# Altium PCB 大风车第三版.PcbDoc (part 2 of 2)
Units mm, origin at the board's own origin, x right, y up, seen from the top; angles counter-clockwise.
Board outline 97.08 x 92.33 mm, 4 copper layers (Top Layer, Second Layer, Third Layer, Bottom Layer 1), stack 0.603 mm thick; 147 components, 109 nets, 497 pads, 844 vias.
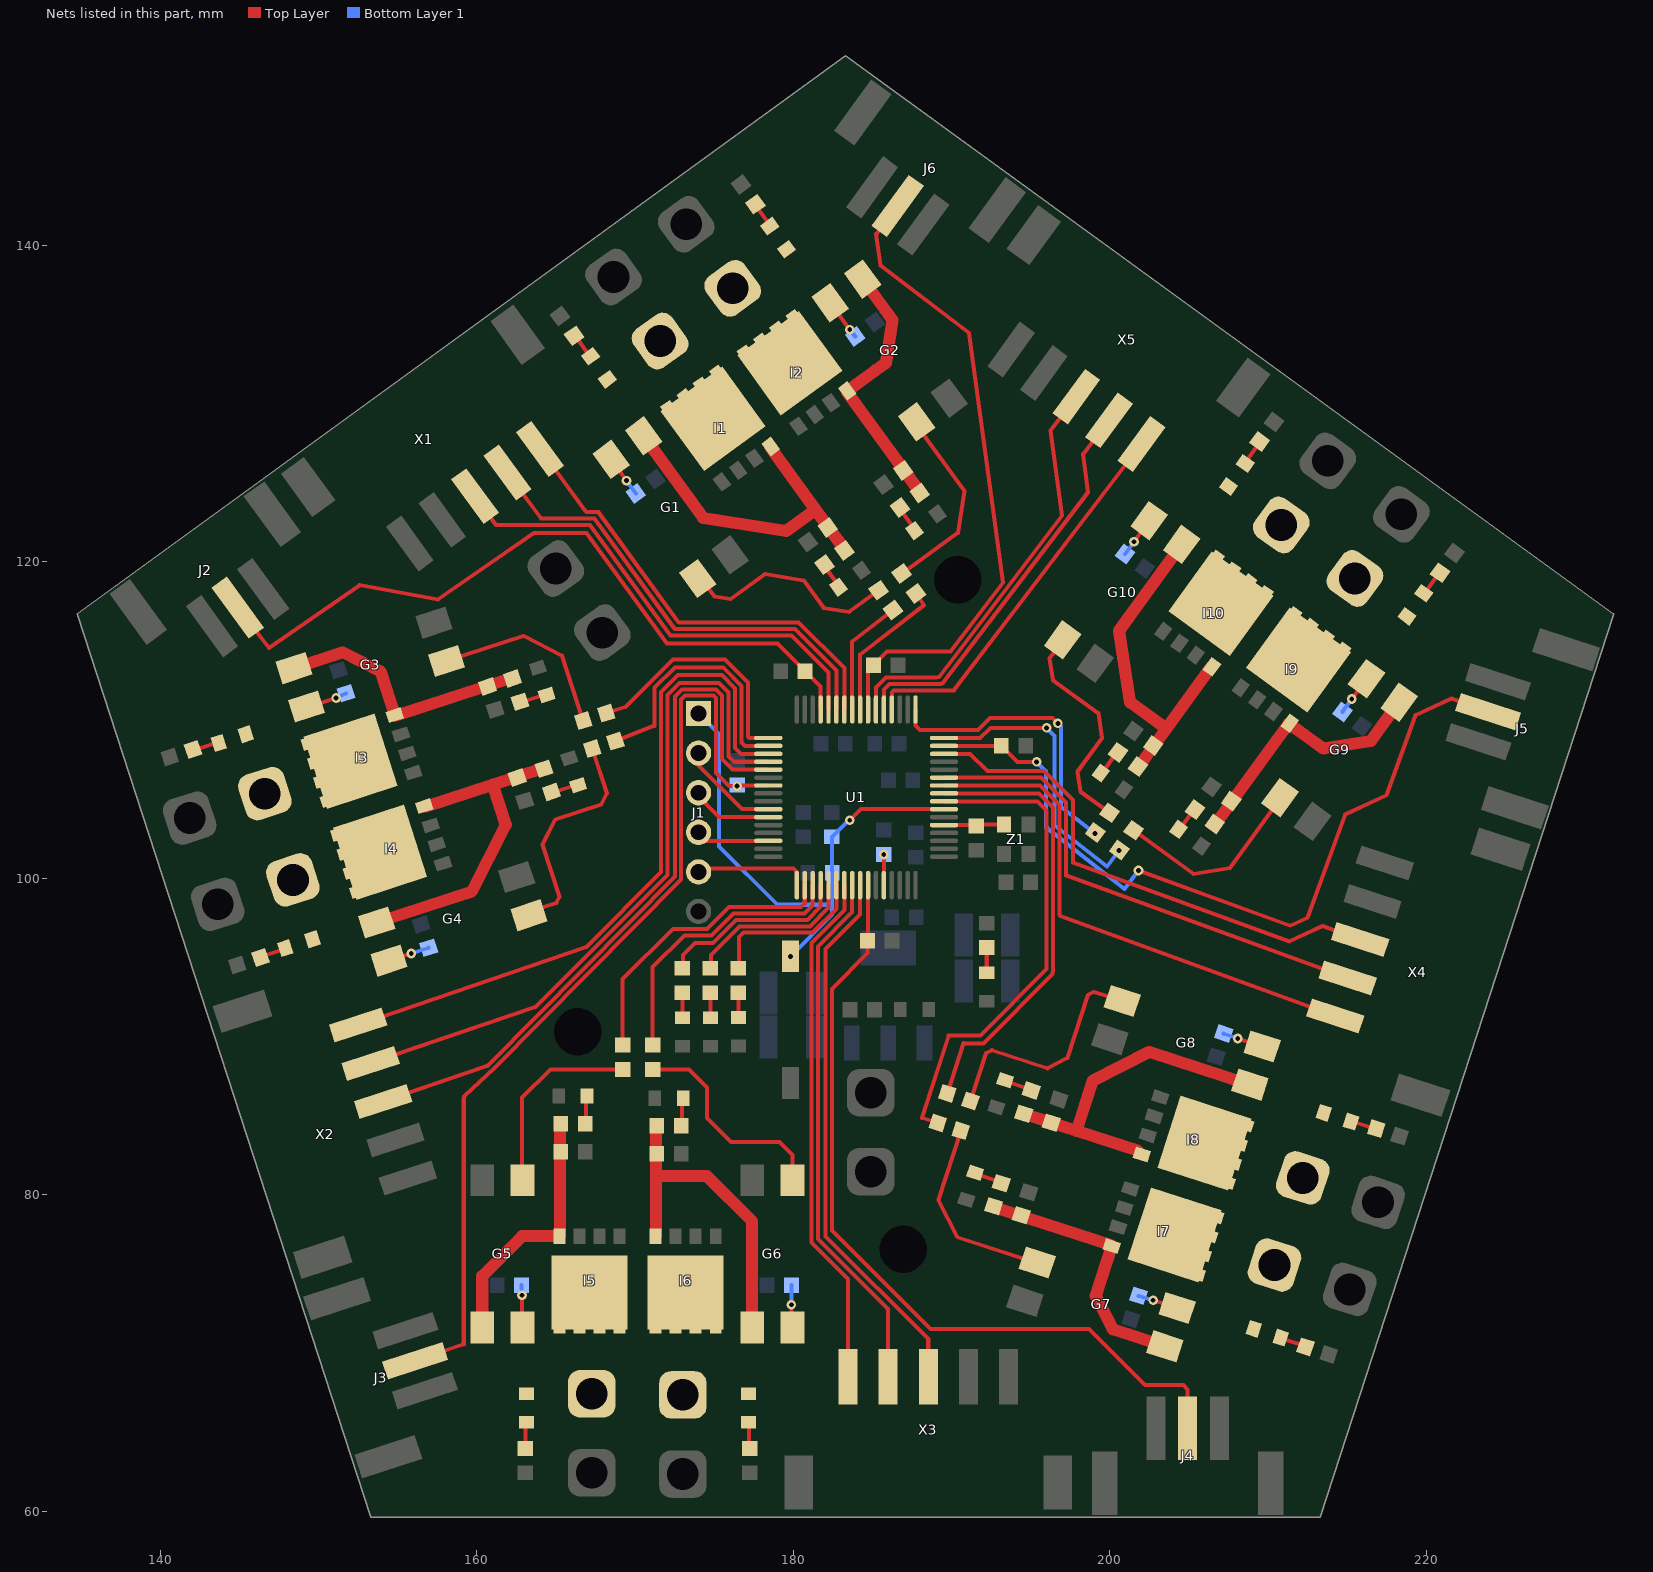
[diagram p4: the nets of this part, all layers, seen from the top]

## Via types
v1: diameter 0.61, hole 0.305, Top Layer to Bottom Layer 1, 844 vias

## Nets (pads, with @x,y where several pads share a name; then routed paths per layer and width w, separated by ;. In a path a pad name is that pad's centre, name@x,y a point inside that pad or via, vN(x,y) a via of type N, cw(c..) or ccw(c..) an arc to the next point about the centre after c; other vN are vias at no path point) (continued)
NetD2_1: D2.1 R.1@192.213,95.632 | length 1.6
  Top Layer w0.254: D2.1@192.213,94.042 R.1@192.213,95.632
NetD3_1: D3.1 R.1@176.516,92.778 | length 1.6
  Top Layer w0.254: D3.1@176.516,91.215 R.1@176.516,92.778
NetD4_1: D4.1 R.1@174.751,92.778 | length 1.6
  Top Layer w0.254: D4.1@174.751,91.203 R.1@174.751,92.778
NetD5_1: D5.1 R.1@172.985,92.779 | length 1.6
  Top Layer w0.254: D5.1@172.985,91.203 R.1@172.985,92.779
NetD6_1: D6.1 R.1@166.149,134.286 | length 1.7
  Top Layer w0.254: R.1@166.149,134.286 166.203,134.278 167.133,132.997 D6.1@167.187,132.989
NetD6_2: D6.2 I1.D P3.2
NetD7_1: D7.1 R.1@177.592,142.6 | length 1.7
  Top Layer w0.254: R.1@177.592,142.6 177.583,142.546 178.513,141.265 D7.1@178.505,141.212
NetD7_2: D7.2 I2.D P4.2
NetD8_1: D8.1 R.1@181.97,119.823 | length 1.7
  Top Layer w0.254: R.1@181.97,119.823 181.957,119.738 182.865,118.488 D8.1@182.852,118.403
NetD9_1: D9.1 R.1@186.732,123.439 | length 1.8
  Top Layer w0.254: R.1@186.732,123.439 186.718,123.355 187.663,122.055 D9.1@187.65,121.97
NetD10_1: D10.1 R.1@142.059,108.147 | length 1.7
  Top Layer w0.254: R.1@142.059,108.147 142.133,108.109 143.614,108.591 D10.1@143.688,108.553
NetD10_2: D10.2 I3.D P5.2
NetD11_1: D11.1 R.1@146.329,95.005 | length 1.7
  Top Layer w0.254: R.1@146.329,95.005 146.354,95.054 147.873,95.548 D11.1@147.898,95.596
NetD11_2: D11.2 I4.D P6.2
NetD12_1: D12.1 R.1@162.722,111.168 | length 1.6
  Top Layer w0.254: R.1@162.799,111.129 D12.1@164.326,111.626
NetD13_1: D13.1 R.1@164.712,105.457 | length 1.6
  Top Layer w0.254: R.1@164.788,105.418 D13.1@166.316,105.915
NetD14_1: D14.1 R.1@163.045,63.981 | length 1.6
  Top Layer w0.254: R.1@163.045,64.026 163.083,64.065 163.083,65.556 D14.1@163.122,65.594
NetD14_2: D14.2 I5.D P7.2
NetD15_1: D15.1 R.1@166.839,84.509 | length 1.8
  Top Layer w0.254: R.1@166.839,84.509 166.9,84.569 166.9,86.176 D15.1@166.96,86.236
NetD16_1: D16.1 R.1@177.226,63.981 | length 1.6
  Top Layer w0.254: D16.1@177.149,65.467 177.188,65.429 177.188,63.938 R.1@177.226,63.899
NetD16_2: D16.2 I6.D P8.2
NetD17_1: D17.1 R.1@172.908,84.382 | length 1.8
  Top Layer w0.254: R.1@172.908,84.382 172.968,84.442 172.968,86.049 D17.1@173.029,86.109
NetD18_1: D18.1 R.1@212.35,70.396 | length 1.7
  Top Layer w0.254: D18.1@210.795,70.982 210.82,70.933 212.325,70.444 R.1@212.35,70.396
NetD18_2: D18.2 I7.D P9.2
NetD19_1: D19.1 R.1@216.832,84.191 | length 1.7
  Top Layer w0.254: D19.1@215.23,84.631 215.278,84.656 216.784,84.166 R.1@216.832,84.191
NetD19_2: D19.2 I8.D P10.2
NetD20_1: D20.1 R.1@195.027,86.595 | length 1.7
  Top Layer w0.254: D20.1@193.416,87.182 194.988,86.671 R.1@195.027,86.595
NetD21_1: D21.1 R.1@193.126,80.745 | length 1.7
  Top Layer w0.254: D21.1@191.476,81.407 191.515,81.331 R.1@193.087,80.821
NetD22_1: D22.1 R.1@220.864,119.313 | length 1.7
  Top Layer w0.254: D22.1@219.826,118.016 219.88,118.024 220.81,119.305 R.1@220.864,119.313
NetD22_2: D22.2 I9.D P11.2
NetD23_1: D23.1 R.1@209.458,127.601 | length 1.7
  Top Layer w0.254: D23.1@208.545,126.212 208.536,126.266 209.466,127.547 R.1@209.458,127.601
NetD23_2: D23.2 I10.D P12.2
NetD24_1: D24.1 R.1@200.515,107.967 | length 1.8
  Top Layer w0.254: D24.1@199.417,106.662 199.501,106.675 200.43,107.953 R.1@200.515,107.967
NetD25_1: D25.1 R.1@205.375,104.346 | length 1.7
  Top Layer w0.254: D25.1@204.32,103.099 204.405,103.113 205.291,104.333 R.1@205.375,104.346
NetG1_1: 10K.2@185.388,118.202 G1.1 | length 13.9
  Top Layer w0.254: G1.1@173.946,118.948 174.209,118.907 175,117.817 176.034,117.654 178.192,119.221 180.64,118.834 181.909,117.087 183.505,116.834 10K.2@185.388,118.202
NetG1_3: 10K.2@182.171,122.166 G1.3 I1.G R.2@183.216,120.728 | length 22.1
  Top Layer w0.254: I1.G@178.551,127.225 I1.G@178.561,127.288 ; R.2@183.216,120.728 R.2@183.226,120.791
  Top Layer w0.762: G1.3@170.535,127.965 174.301,122.781 179.546,121.95 181.403,123.299 ; I1.G@178.551,127.225 181.403,123.299 ; R.2@183.226,120.791 181.403,123.299
NetG1_4: 500R.1@170.038,124.321 G1.4 | length 2.7
  Top Layer w0.254: G1.4@168.48,126.472 v1(169.452,125.135)
  Bottom Layer 1 w0.254: v1(169.452,125.135) 169.451,125.132 170.039,124.324 500R.1@170.038,124.321
NetG2_1: 10K.2@186.839,119.256 G2.1 | length 12.4
  Top Layer w0.254: 10K.2@186.839,119.256 190.386,121.833 190.805,124.479 187.761,128.67 G2.1@187.789,128.849
NetG2_3: 10K.2@186.933,125.783 G2.3 I2.G R.2@187.978,124.345 | length 16.9
  Top Layer w0.254: I2.G@183.388,130.739 I2.G@183.398,130.802 ; R.2@187.978,124.345 R.2@187.988,124.408
  Top Layer w0.762: I2.G@183.388,130.739 R.2@187.988,124.408 ; I2.G@183.398,130.802 185.194,132.107 185.836,132.573 186.263,135.27 185.797,135.912 G2.3@184.377,137.865
NetG2_4: 500R.1@183.907,134.24 G2.4 | length 2.7
  Top Layer w0.254: G2.4@182.322,136.372 v1(183.554,134.677)
  Bottom Layer 1 w0.254: v1(183.554,134.677) 500R.1@183.907,134.24 500R.1@183.887,134.243
NetG3_1: 10K.2@166.712,109.971 G3.1 | length 12.2
  Top Layer w0.254: G3.1@158.073,113.742 162.937,115.323 165.377,114.079 10K.2@166.712,109.971
NetG3_3: 10K.2@160.676,112.123 G3.3 I3.G R.2@162.247,112.633 | length 16.6
  Top Layer w0.254: I3.G@154.812,110.312 I3.G@154.869,110.283
  Top Layer w0.762: G3.3@148.443,113.284 151.523,114.285 153.918,113.065 I3.G@154.812,110.312 ; I3.G@154.869,110.283 R.2@162.19,112.662
NetG3_4: 500R.1@151.731,111.696 G3.4 | length 2.6
  Top Layer w0.254: G3.4@149.324,110.82 v1(151.104,111.398)
  Bottom Layer 1 w0.254: v1(151.104,111.398) 500R.1@151.731,111.696
NetG4_1: 10K.2@167.288,108.199 G4.1 | length 14.5
  Top Layer w0.254: G4.1@163.295,97.671 163.431,97.939 165.021,98.456 165.212,98.831 164.141,102.129 164.956,103.73 167.855,104.672 168.208,105.366 10K.2@167.288,108.199
NetG4_3: 10K.2@162.545,106.372 G4.3 I4.G R.2@164.236,106.921 | length 21.6
  Top Layer w0.254: I4.G@156.68,104.562 I4.G@156.737,104.533
  Top Layer w0.762: G4.3@153.665,97.213 159.668,99.164 161.82,103.388 160.998,105.917 ; I4.G@156.737,104.533 160.998,105.917 ; R.2@164.179,106.95 162.531,106.415 160.998,105.917
NetG4_4: 500R.1@156.953,95.625 G4.4 | length 2.6
  Top Layer w0.254: G4.4@154.45,94.798 v1(155.845,95.251)
  Bottom Layer 1 w0.254: v1(155.845,95.251) 155.849,95.259 156.948,95.617 500R.1@156.953,95.625
NetG5_1: 10K.2@169.211,87.93 G5.1 | length 12.3
  Top Layer w0.254: G5.1@162.878,80.92 162.851,80.947 162.851,86.143 164.638,87.93 10K.2@169.211,87.93
NetG5_3: 10K.2@165.299,82.731 G5.3 I5.G R.2@165.299,84.509 | length 16.3
  Top Layer w0.254: I5.G@165.209,77.394 I5.G@165.254,77.439 ; R.2@165.254,84.464 R.2@165.299,84.509
  Top Layer w0.762: G5.3@160.338,71.62 160.338,74.867 162.864,77.394 I5.G@165.209,77.394 ; I5.G@165.254,77.439 R.2@165.254,84.464
NetG5_4: 500R.1@162.816,74.294 G5.4 | length 2.7
  Top Layer w0.254: v1(162.851,73.66) 162.851,71.647 G5.4@162.878,71.62
  Bottom Layer 1 w0.254: 500R.1@162.816,74.294 v1(162.851,73.66)
NetG6_1: 10K.2@171.096,87.93 G6.1 | length 13.8
  Top Layer w0.254: 10K.2@171.096,87.93 171.105,87.921 173.392,87.921 174.535,86.778 174.535,84.873 176.059,83.349 179.107,83.349 179.933,82.522 G6.1@179.933,80.92
NetG6_3: 10K.2@171.368,82.604 G6.3 I6.G R.2@171.368,84.382 | length 20.9
  Top Layer w0.254: R.2@171.323,84.337 R.2@171.368,84.382
  Top Layer w0.762: I6.G@171.323,77.439 171.323,81.19 171.323,82.604 R.2@171.323,84.337 ; 171.36,81.19 174.535,81.19 177.393,78.331 G6.3@177.393,71.62
NetG6_4: 500R.1@179.873,74.294 G6.4 | length 2.7
  Top Layer w0.254: v1(179.869,73.062) 179.869,71.684 G6.4@179.933,71.62
  Bottom Layer 1 w0.254: v1(179.869,73.062) v1(179.869,73.062) 179.871,74.292 500R.1@179.873,74.294
NetG7_1: 10K.2@190.579,84.066 G7.1 | length 12.6
  Top Layer w0.254: 10K.2@190.579,84.066 189.157,79.69 190.36,77.33 195.36,75.705 G7.1@195.403,75.727
NetG7_3: 10K.2@194.392,78.714 G7.3 I7.G R.2@192.65,79.28 | length 16.9
  Top Layer w0.762: R.2@192.679,79.223 I7.G@200.085,76.817 ; I7.G@200.114,76.76 199.098,73.632 200.182,71.503 G7.3@203.463,70.437
NetG7_4: 500R.1@201.798,73.619 G7.4 | length 2.6
  Top Layer w0.254: v1@202.68,73.327 v1(202.722,73.348) G7.4@204.248,72.853
  Bottom Layer 1 w0.254: 500R.1@201.798,73.619 201.816,73.628 202.705,73.339 v1(202.722,73.348)
NetG8_1: 10K.2@191.187,85.937 G8.1 | length 15.2
  Top Layer w0.254: 10K.2@191.187,85.937 192.167,88.952 192.542,89.143 196.046,88.005 197.326,88.657 198.621,92.642 198.996,92.833 G8.1@200.773,92.255
NetG8_3: 10K.2@196.293,84.565 G8.3 I8.G R.2@194.551,85.131 | length 21.8
  Top Layer w0.254: I8.G@201.878,82.595 I8.G@201.997,82.556
  Top Layer w0.762: R.2@194.551,85.131 10K.2@196.293,84.565 197.884,84.048 ; I8.G@201.783,82.781 197.884,84.048 ; G8.3@208.833,86.966 202.458,89.037 198.92,87.234 197.884,84.048
NetG8_4: 500R.1@207.186,90.201 G8.4 | length 2.6
  Top Layer w0.254: v1@208.056,89.874 v1(208.074,89.883) G8.4@209.618,89.382
  Bottom Layer 1 w0.254: 500R.1@207.186,90.201 207.194,90.183 208.066,89.9 v1(208.074,89.883)
NetG9_1: 10K.2@201.495,103.04 G9.1 | length 12.5
  Top Layer w0.254: 10K.2@201.495,103.04 205.29,100.282 207.572,100.643 210.756,105.026 G9.1@210.744,105.1
NetG9_3: 10K.2@207.667,104.881 G9.3 I9.G R.2@206.621,103.441 | length 16.7
  Top Layer w0.254: R.2@206.621,103.441 R.2@206.684,103.451
  Top Layer w0.762: R.2@206.684,103.451 211.29,109.791 212.845,108.661 213.48,108.2 216.481,108.675 216.943,109.31 G9.3@218.265,111.131
NetG9_4: 500R.1@214.687,110.513 G9.4 | length 2.6
  Top Layer w0.254: v1@215.274,111.319 v1(215.272,111.333) G9.4@216.21,112.624
  Bottom Layer 1 w0.254: 500R.1@214.686,110.519 215.273,111.327 v1(215.272,111.333)
NetG10_1: 10K.2@199.976,104.143 G10.1 | length 14.2
  Top Layer w0.254: G10.1@197.012,115.076 197.017,115.045 196.17,113.878 196.384,112.527 199.261,110.437 199.508,108.878 197.94,106.721 198.137,105.479 10K.2@199.976,104.143
NetG10_3: 10K.2@202.731,108.397 G10.3 I10.G R.2@201.76,107.061 | length 22
  Top Layer w0.254: R.2@201.76,107.061 R.2@201.823,107.071 ; I10.G@206.387,113.353 I10.G@206.45,113.363
  Top Layer w0.762: R.2@201.823,107.071 202.763,108.365 203.564,109.467 ; G10.3@204.534,121.107 200.561,115.639 201.275,111.129 203.564,109.467 ; I10.G@206.387,113.353 203.564,109.467
NetG10_4: 500R.1@200.949,120.494 G10.4 | length 2.6
  Top Layer w0.254: v1(201.514,121.273) G10.4@202.479,122.6
  Bottom Layer 1 w0.254: 500R.1@200.949,120.494 v1(201.514,121.273)
NetR1_1: R1.1 U1.60 | length 1.9
  Top Layer w0.254: v1(185.706,101.512) 185.706,99.571 U1.60@185.713,99.571
NRST: C13.1 J1.1 R4.1 U1.7 Y1.2 | length 34.1
  Top Layer w0.254: v1(183.552,103.669) 184.253,104.371 U1.7@189.513,104.371
  Bottom Layer 1 w0.254: J1.1@174.006,110.413 175.162,109.257 175.297,109.122 175.297,102.018 178.98,98.335 182.448,98.335 ; v1(179.813,95.074) 182.448,97.71 182.448,98.335 ; v1(183.552,103.669) 183.463,103.669 C13.1@182.423,102.629 182.423,100.385 R4.1@182.448,100.36 182.448,98.335
OSN_IN: C11.1 U1.5 Z1.3 | length 3.8
  Top Layer w0.254: U1.5@189.513,103.371 191.505,103.371 C11.1@191.563,103.312 191.658,103.407 Z1.3@193.298,103.407
"PA0 DIN1": U1.14 X4.3 | length 32.7
  Top Layer w0.254: U1.14@189.513,107.871 191.161,107.871 192.255,106.777 195.824,106.777 197.649,104.952 197.649,101.002 211.34,96.021 213.428,96.995 X4.3@215.803,96.131
"PA1 DZ1": C17.2 J5.2 U1.15 | length 50
  Top Layer w0.254: U1.15@189.513,108.371 193.107,108.371 C17.2@193.13,108.393 194.171,107.352 195.363,107.352 v1(195.363,107.361) ; v1(201.8,100.497) 211.389,97.009 212.489,97.522 214.86,104.039 217.473,105.257 219.313,110.316 221.575,111.371 J5.2@223.891,110.529
  Bottom Layer 1 w0.254: v1(195.363,107.361) 195.955,106.769 195.955,103.233 200.922,99.327 v1(201.8,100.497)
"PA2 DT2_1": 10K.1@200.589,101.794 U1.16 | length 18.6
  Top Layer w0.254: U1.16@189.513,108.871 191.802,108.871 192.442,109.511 v1(195.998,109.511)
  Bottom Layer 1 w0.254: v1(195.998,109.511) 196.506,109.003 196.506,103.344 199.808,100.748 v1(200.57,101.764)
"PA3 DT2_2": 10K.1@199.071,102.897 U1.17 | length 18.7
  Top Layer w0.254: U1.17@187.713,110.671 187.713,109.668 187.997,109.384 191.656,109.384 192.418,110.146 196.353,110.146 v1(196.705,109.794)
  Bottom Layer 1 w0.254: v1(196.705,109.794) 196.912,109.587 196.912,104.533 197.014,104.431 v1(199.05,102.83)
"PA4 CLK2": U1.20 X5.5 | length 24.6
  Top Layer w0.254: U1.20@186.213,110.671 186.213,111.758 186.328,111.873 190.137,111.873 ; 190.137,111.899 X5.5@201.986,127.452
"PA5 CS2": U1.21 X5.4 | length 25.4
  Top Layer w0.254: U1.21@185.713,110.671 185.713,111.926 186.066,112.28 189.314,112.28 189.4,112.305 198.624,124.413 198.301,126.805 X5.4@199.931,128.945
"PA6 DIN2": U1.22 X5.3 | length 26.6
  Top Layer w0.254: U1.22@185.213,110.671 185.213,112.061 185.838,112.686 189.013,112.686 189.198,112.711 196.973,122.917 196.246,128.298 X5.3@197.877,130.438
"PA7 DZ2": C18.2 J6.2 U1.23 | length 40.8
  Top Layer w0.254: U1.23@184.713,110.671 184.713,113.129 C18.2@185.062,113.477 185.922,114.337 189.926,114.337 193.237,118.683 191.105,134.462 185.489,138.741 185.223,140.707 J6.2@186.584,142.493
"PA9 1_TX": J1.2 U1.42 | length 6.3
  Top Layer w0.254: J1.2@174.006,107.913 174.006,107.119 176.754,104.371 U1.42@178.413,104.371
"PA10 1_RX": J1.3 U1.43 | length 5.3
  Top Layer w0.254: J1.3@173.752,105.413 175.295,103.871 U1.43@178.413,103.871
"PA13 SWDIO": J1.4 U1.46 | length 4.9
  Top Layer w0.254: J1.4@173.752,102.913 174.295,102.371 U1.46@178.413,102.371
"PA14 SWCLK": J1.5 U1.49 | length 7.5
  Top Layer w0.254: J1.5@173.752,100.413 173.959,100.621 179.996,100.621 180.213,100.404 U1.49@180.213,99.571
"PA15 DT5_1": 10K.1@169.211,89.47 U1.50 | length 18.8
  Top Layer w0.254: 10K.1@169.211,89.47 169.211,93.646 172.376,96.811 174.549,96.811 175.932,98.194 180.49,98.194 180.713,98.417 U1.50@180.713,99.571
"PB0 CLK3": U1.26 X1.5 | length 28.6
  Top Layer w0.254: X1.5@163.982,127.134 166.823,123.261 166.933,123.151 167.677,123.151 172.757,116.166 180.326,116.166 183.213,113.279 U1.26@183.213,110.671
"PB1 CS3": U1.27 X1.4 | length 29.4
  Top Layer w0.254: X1.4@161.927,125.641 164.044,122.756 ; 164.044,122.744 167.423,122.744 172.503,115.759 180.097,115.759 182.713,113.144 U1.27@182.713,110.671
"PB2 DIN3": U1.28 X1.3 | length 30.1
  Top Layer w0.254: X1.3@159.872,124.148 161.2,122.338 167.137,122.338 172.217,115.353 179.869,115.353 182.213,113.009 U1.28@182.213,110.671
"PB3 CLK5": U1.55 X3.5 | length 32.9
  Top Layer w0.254: U1.55@183.213,99.571 183.213,97.996 181.139,95.922 181.139,82.46 181.139,76.999 183.437,74.7 X3.5@183.437,68.504
"PB4 CS5": U1.56 X3.4 | length 33.8
  Top Layer w0.254: U1.56@183.713,99.571 183.713,97.861 181.545,95.693 181.545,77.228 185.977,72.795 X3.4@185.977,68.504
"PB5 DIN5": U1.57 X3.3 | length 34.7
  Top Layer w0.254: U1.57@184.213,99.571 184.213,97.726 182.028,95.541 182.028,77.38 188.517,70.89 X3.3@188.517,68.504
"PB6 DZ5": C16.2 J4.2 U1.58 | length 51.8
  Top Layer w0.254: U1.58@184.713,99.571 184.713,96.357 184.685,96.328 184.685,95.277 182.434,93.026 182.434,77.761 188.657,71.538 198.665,71.538 202.221,67.982 204.634,67.982 204.908,67.708 J4.2@204.908,65.262
"PB10 DZ3": C14.2 J2.2 U1.29 | length 46.8
  Top Layer w0.254: J2.2@144.883,117.109 146.867,114.565 152.586,118.524 157.537,117.624 163.613,121.83 166.915,121.83 171.995,114.845 178.98,114.845 C14.2@180.733,113.092 181.713,112.112 U1.29@181.713,110.671
"PB12 DT4_1": 10K.1@168.177,110.447 U1.33 | length 15.6
  Top Layer w0.254: 10K.1@168.177,110.447 169.391,110.844 172.376,113.829 175.678,113.829 177.126,112.381 177.126,108.952 177.207,108.871 U1.33@178.413,108.871
"PB13 DT4_2": 10K.1@168.752,108.675 U1.34 | length 16.9
  Top Layer w0.254: 10K.1@168.752,108.675 171.224,109.659 ; 171.233,109.638 171.233,112.051 172.503,113.321 175.564,113.321 176.719,112.166 176.719,108.597 176.945,108.371 U1.34@178.413,108.371
"PB14 CLK4": U1.35 X2.5 | length 44.8
  Top Layer w0.254: X2.5@152.475,90.739 152.493,90.745 166.915,95.668 171.639,100.392 171.639,111.766 172.711,112.838 175.472,112.838 176.313,111.997 176.313,108.241 176.683,107.871 U1.35@178.413,107.871
"PB15 CS4": U1.36 X2.4 | length 45.3
  Top Layer w0.254: X2.4@153.26,88.323 153.278,88.329 163.69,91.884 ; 163.698,91.876 172.046,100.224 172.046,111.598 172.803,112.356 175.282,112.356 175.906,111.731 175.906,107.702 176.238,107.371 U1.36@178.413,107.371
"PC0 DT1_1": 10K.1@189.115,84.542 U1.8 | length 31.2
  Top Layer w0.254: 10K.1@189.115,84.542 188.132,84.873 189.808,90.069 ; U1.8@189.513,104.871 195.431,104.871 195.998,104.304 195.998,94.271 191.807,90.08 189.808,90.08
"PC1 DT1_2": 10K.1@189.723,86.413 U1.9 | length 28.5
  Top Layer w0.254: U1.9@189.513,105.371 195.506,105.371 196.404,104.472 196.404,94.103 196.379,94.077 196.379,93.945 192.014,89.58 190.791,89.58 ; 10K.1@189.723,86.413 190.749,89.594
"PC2 CLK1": U1.10 X4.5 | length 33.3
  Top Layer w0.254: U1.10@189.513,105.871 195.574,105.871 195.668,105.777 195.674,105.777 196.811,104.641 196.811,97.7 196.858,97.62 X4.5@214.233,91.299
"PC3 CS1": U1.11 X4.4 | length 31.9
  Top Layer w0.254: U1.11@189.513,106.371 195.656,106.371 197.217,104.809 197.217,100.18 ; 197.246,100.18 X4.4@215.018,93.715
"PC4 DT3_2": 10K.1@187.744,118.011 U1.24 | length 9.5
  Top Layer w0.254: U1.24@184.213,110.67 184.213,114.143 188.251,117.258 10K.1@187.744,118.011
"PC5 DT3_1": 10K.1@186.293,116.956 U1.25 | length 7.6
  Top Layer w0.254: U1.25@183.713,110.671 183.713,114.966 10K.1@186.293,116.956
"PC6 DIN4": U1.37 X2.3 | length 45.8
  Top Layer w0.254: X2.3@154.045,85.907 154.063,85.914 160.618,88.151 ccw(c160.618,88.272) 160.67,88.163 160.818,88.301 ; 160.82,88.303 172.503,100.107 172.503,111.481 172.972,111.949 175.113,111.949 175.5,111.563 175.5,107.534 176.164,106.871 U1.37@178.413,106.871
"PC8 DZ4": C15.2 J3.2 U1.39 | length 60.4
  Top Layer w0.254: J3.2@156.094,69.52 159.148,70.563 ; 159.168,70.563 159.168,86.092 cw(c159.422,86.092) 159.248,86.277 161.096,88.005 ccw(c160.819,88.302) 161.107,88.015 172.836,99.865 ccw(c172.655,100.043) 172.909,100.043 172.909,111.312 173.14,111.543 174.945,111.543 175.094,111.394 175.094,106.666 175.932,105.828 v1(176.44,105.828) 176.483,105.871 U1.39@178.413,105.871
"PC10 DT5_2": 10K.1@171.096,89.47 U1.51 | length 17.9
  Top Layer w0.254: 10K.1@171.096,89.47 171.096,94.388 173.112,96.405 174.824,96.405 176.207,97.787 180.705,97.787 181.213,98.295 U1.51@181.213,99.571
"PC11 LED": R.2@172.985,94.319 U1.52 | length 12.2
  Top Layer w0.254: R.2@172.985,94.319 173.011,94.344 173.011,95.16 173.773,95.922 174.916,95.922 176.375,97.381 180.874,97.381 181.713,98.221 U1.52@181.713,99.571
"PC12 LED": R.2@174.751,94.319 U1.53 | length 10.9
  Top Layer w0.254: R.2@174.751,94.319 174.789,94.357 174.789,95.16 176.603,96.975 181.042,96.975 182.213,98.146 U1.53@182.213,99.571
"PD2 LED": R.2@176.516,94.319 U1.54 | length 10.4
  Top Layer w0.254: R.2@176.516,94.319 176.567,94.369 176.567,96.303 176.832,96.568 181.21,96.568 182.713,98.071 U1.54@182.713,99.571
pads on no net: U1.2 U1.3 U1.4 U1.30 U1.38 U1.40 U1.41 U1.44 U1.45 U1.59 U1.61 U1.62

## Polygon pours and split planes (outlines as drawn)
3.3V on Bottom Layer 1 "NONET_L01_P-001" (solid, pour order 34): 187.616,88.429 186.727,88.429 184.695,88.429 184.568,88.556 184.568,93.636 183.552,94.652 183.552,96.938 189.013,96.938 189.013,100.24 190.537,100.24 192.442,100.24 192.442,98.335 192.442,91.604 188.251,91.604 187.616,90.969
5V on Bottom Layer 1 "NONET_L01_P-001" (solid, pour order 36): 185.965,84.873 185.965,88.048 184.695,88.048 184.314,88.429 184.314,93.509 183.298,94.525 179.996,94.525 179.996,87.159 182.282,84.873
GND on Bottom Layer 1 "GND_L04_P049" (solid, pour order 49): 153.279,59.643 134.738,116.706 183.279,151.973 231.82,116.706 213.279,59.643
NetD11_2 on Top Layer "NONET_L01_P-001" (solid, pour order 23): 155.607,105.25 157.373,99.814 149.884,97.381 150.434,95.69 148.984,95.219 146.708,102.225
NetD10_2 on Top Layer "NONET_L01_P-001" (solid, pour order 24): 155.528,105.491 153.762,110.927 146.274,108.493 145.803,109.943 144.353,109.472 146.59,102.587
NetD18_2 on Top Layer "NONET_L01_P-001" (solid, pour order 31): 209.649,70.528 212.043,77.896 202.38,81.035 200.614,75.6 208.828,72.932 208.2,70.999
NetD19_2 on Top Layer "NONET_L01_P-001" (solid, pour order 32): 212.161,78.258 214.555,85.626 213.226,86.058 212.598,84.125 204.264,86.833 202.498,81.398
NetD14_2 on Top Layer "NONET_L01_P-001" (solid, pour order 25): 169.963,76.491 164.248,76.491 164.248,68.109 162.343,68.109 162.343,66.585 169.963,66.585
NetD16_2 on Top Layer "NONET_L01_P-001" (solid, pour order 26): 170.344,66.585 177.964,66.585 177.964,68.109 176.186,68.109 176.059,68.236 176.059,76.491 170.344,76.491
NetD7_2 on Top Layer "NONET_L01_P-001" (solid, pour order 27): 179.674,140.881 173.509,136.402 179.033,128.799 179.136,128.873 183.554,132.083 178.926,138.453 180.57,139.648
NetD6_2 on Top Layer "NONET_L01_P-001" (solid, pour order 28): 173.201,136.178 167.139,131.773 168.035,130.541 169.473,131.586 174.101,125.215 178.725,128.575
NetD22_2 on Top Layer "NONET_L01_P-001" (solid, pour order 29): 219.044,115.644 217.503,116.764 212.576,109.983 207.953,113.342 213.701,121.253 219.866,116.774
NetD23_2 on Top Layer "NONET_L01_P-001" (solid, pour order 30): 207.747,113.491 203.124,116.85 208.051,123.631 206.51,124.751 207.331,125.881 213.495,121.402
3.3V on Top Layer "NONET_L01_P-001" (solid, pour order 35): 190.918,99.224 193.966,99.224 194.22,99.478 194.22,100.494 194.982,100.494 195.49,101.002 195.49,102.399 192.569,102.399 192.569,100.875 190.918,100.875
5V on Top Layer "NONET_L01_P-001" (solid, pour order 37): 203.745,63.156 201.84,63.156 199.935,64.934 193.712,64.934 192.823,65.823 192.823,70.141 193.331,70.649 198.665,70.649 201.84,67.347 203.745,67.347
5V on Top Layer "NONET_L01_P-001" (solid, pour order 39): 225.534,108.772 224.945,106.961 223.461,106.138 221.524,100.178 219.622,99.209 215.516,100.543 215.189,101.183 216.838,106.256 220.959,108.256 221.548,110.067
5V on Top Layer "NONET_L01_P-001" (solid, pour order 40): 188.763,143.513 190.304,142.393 190.8,139.835 195.835,136.177 196.031,134.936 193.493,131.442 192.784,131.33 191.728,132.097 191.39,134.541 185.404,138.89
5V on Top Layer "NONET_L01_P-001" (solid, pour order 41): 144.586,119.497 146.127,120.617 148.714,120.298 153.748,123.956 154.99,123.759 157.528,120.266 157.416,119.556 155.704,118.312 152.245,118.93 147.502,115.483
5V on Top Layer "NONET_L01_P-001" (solid, pour order 42): 153.731,69.976 153.143,71.787 154.245,74.148 152.322,80.067 152.893,81.187 157,82.521 157.64,82.195 159.592,76.187 157.433,72.147 157.717,71.271
GND on Top Layer "GND_L01_P043" (solid, pour order 43): 153.279,59.643 134.738,116.706 183.279,151.973 231.82,116.706 213.279,59.643
GND on Second Layer "GND_L02_P047" (solid, pour order 47): 153.279,59.643 134.738,116.706 183.279,151.973 231.82,116.706 213.279,59.643
GND on Third Layer "GND_L03_P048" (solid, pour order 48): 153.279,59.643 134.738,116.706 183.279,151.973 231.82,116.706 213.279,59.643

## Other copper
Top Layer:
  pour cut-out: 182.719,84.873 182.155,84.873 181.012,86.016 178.472,86.016 175.932,88.556 172.249,88.556 172.249,93.382 170.344,95.287 170.344,113.067 177.329,113.067 178.599,114.337 190.283,114.337 195.744,108.876 195.744,98.716 194.601,97.573 194.601,91.858 190.664,91.858 189.013,90.207 189.013,88.175 187.362,86.524 187.362,81.825 182.536,81.825 182.536,80.428 188.124,80.428 188.124,86.397 189.902,88.175 189.902,90.334 190.918,91.35 195.109,91.35 195.109,97.446 196.506,98.843 196.506,109.384 190.791,115.099 178.599,115.099 177.329,113.829 169.709,113.829 169.709,95.16 171.868,93.001 171.868,88.302 175.297,88.302 179.361,84.238 182.719,84.238
Second Layer:
  pour cut-out: 183.425,84.873 182.155,84.873 181.012,86.016 178.472,86.016 175.932,88.556 172.249,88.556 172.249,93.382 170.344,95.287 170.344,113.067 177.329,113.067 178.599,114.337 190.283,114.337 195.744,108.876 195.744,98.716 194.601,97.573 194.601,91.858 190.664,91.858 189.013,90.207 189.013,88.175 187.362,86.524 187.362,81.825 182.536,81.825 182.536,80.428 188.124,80.428 188.124,86.397 189.902,88.175 189.902,90.334 190.918,91.35 195.109,91.35 195.109,97.446 196.506,98.843 196.506,109.384 190.791,115.099 178.599,115.099 177.329,113.829 169.709,113.829 169.709,95.16 171.868,93.001 171.868,88.302 175.297,88.302 179.361,84.238 183.425,84.238
Third Layer:
  pour cut-out: 183.445,84.914 182.175,84.914 181.032,86.057 178.492,86.057 175.952,88.597 172.269,88.597 172.269,93.423 170.364,95.328 170.364,113.108 177.349,113.108 178.619,114.378 190.303,114.378 195.764,108.917 195.764,98.757 194.621,97.614 194.621,91.899 190.684,91.899 189.033,90.248 189.033,88.216 187.382,86.565 187.382,81.866 182.556,81.866 182.556,80.469 188.144,80.469 188.144,86.438 189.922,88.216 189.922,90.375 190.938,91.391 195.129,91.391 195.129,97.487 196.526,98.884 196.526,109.425 190.811,115.14 178.619,115.14 177.349,113.87 169.729,113.87 169.729,95.201 171.888,93.042 171.888,88.343 175.317,88.343 179.381,84.279 183.445,84.279
Bottom Layer 1:
  pour cut-out: 183.425,84.873 182.155,84.873 181.012,86.016 178.472,86.016 175.932,88.556 172.249,88.556 172.249,93.382 170.344,95.287 170.344,113.067 177.329,113.067 178.599,114.337 190.283,114.337 195.744,108.876 195.744,98.716 194.601,97.573 194.601,91.858 190.664,91.858 189.013,90.207 189.013,88.175 187.362,86.524 187.362,81.825 182.536,81.825 182.536,80.428 188.124,80.428 188.124,86.397 189.902,88.175 189.902,90.334 190.918,91.35 195.109,91.35 195.109,97.446 196.506,98.843 196.506,109.384 190.791,115.099 178.599,115.099 177.329,113.829 169.709,113.829 169.709,95.16 171.868,93.001 171.868,88.302 175.297,88.302 179.361,84.238 183.425,84.238

## Silkscreen, mask and mechanical layers (free items; w line width, h text height)
Top Overlay:
  lines w0.254: 134.747,116.713 213.36,59.563 183.261,152.019 153.289,59.563 231.902,116.713 134.747,116.713
  text "PA7 DZ2" at 186.04,140.092 h0.81 r144
  text "2" at 203.634,135.474 h7.62 r144
  text "3" at 156.768,131.355 h7.62 r216
  text "PA6 DIN2" at 196.365,128.953 h0.81 r234
  text "PA5 CS2" at 198.42,127.46 h0.81 r234
  text "PA4 CLK2" at 200.474,125.967 h0.81 r234
  text "PB0 CLK3" at 164.79,125.45 h0.81 r306
  text "PB1 CS3" at 162.735,123.957 h0.81 r306
  text "PC2 DIN3" at 160.68,122.464 h0.81 r306
  text "PS10 DZ3" at 147.298,115.757 h0.81 r216
  text "NRST" at 176.657,110.617 h0.81
  text "PA1 DZ1" at 221.527,110.537 h0.81 r72
  text "PA9 1_TX" at 176.657,110 h0.81
  text "PA10 1_RX" at 176.657,109.365 h0.81
  text "PA13 SWDIO" at 176.657,97.792 h0.81
  text "PA14 SWCLK" at 176.657,97.157 h0.81
  text "PA0 DIN1" at 214.042,97.039 h0.81 r162
  text "GND" at 176.657,96.52 h0.81
  text "PC3 CS1" at 213.257,94.624 h0.81 r162
  text "1" at 222.858,92.276 h7.62 r72
  text "PC2 CLK1" at 212.473,92.208 h0.81 r162
  text "PB14 CLK4" at 154.53,91.047 h0.81 r18
  text "PB15 CS4" at 155.315,88.632 h0.81 r18
  text "PC6 DIN4" at 156.1,86.216 h0.81 r18
  text "4" at 145.861,85.925 h7.62 r288
  text "PC8 DZ4" at 157.929,71.133 h0.81 r288
  text "PB3 CLK5" at 183.732,70.384 h0.81 r90
  text "PB4 CS5" at 186.272,70.384 h0.81 r90
  text "PB5 DIN5" at 188.812,70.384 h0.81 r90
  text "PB6 DZ5" at 203.962,67.691 h0.81
  text "5" at 186.854,60.574 h7.62
Bottom Overlay:
  text "2" at 194.609,128.274 h7.62 r144
  text "我好困啊，不行了，我要睡觉" at 167.513,120.015 h2.03 r216
  text "3" at 156.298,119.504 h7.62 r216
  text "要不一起通宵得了" at 201.168,117.602 h2.03 r144
  text "国庆想放假啊啊啊" at 192.775,113.665 h2.03 r90
  text "灯条求你不要断点了" at 173.228,113.256 h2.03 r180
  text "1" at 213.116,99.159 h7.62 r72
  text "电路与视觉势不两立" at 171.097,98.806 h2.03 r270
  text "四层板真TM好玩" at 158.115,98.044 h2.03 r288
  text "真的不能再缩了吖" at 183.767,95.588 h2.03
  text "视觉能不能打符啊" at 204.724,89.154 h2.03 r72
  text "4" at 157.941,82.879 h7.62 r288
  text "五芒星超级无敌魔法阵" at 179.324,76.2 h2.03
  text "5" at 192.317,71.623 h7.62
Mechanical 1:
  the board outline again, w0.254